# KiCad board Soft_Power_Switch_panelized.kicad_pcb (continued)
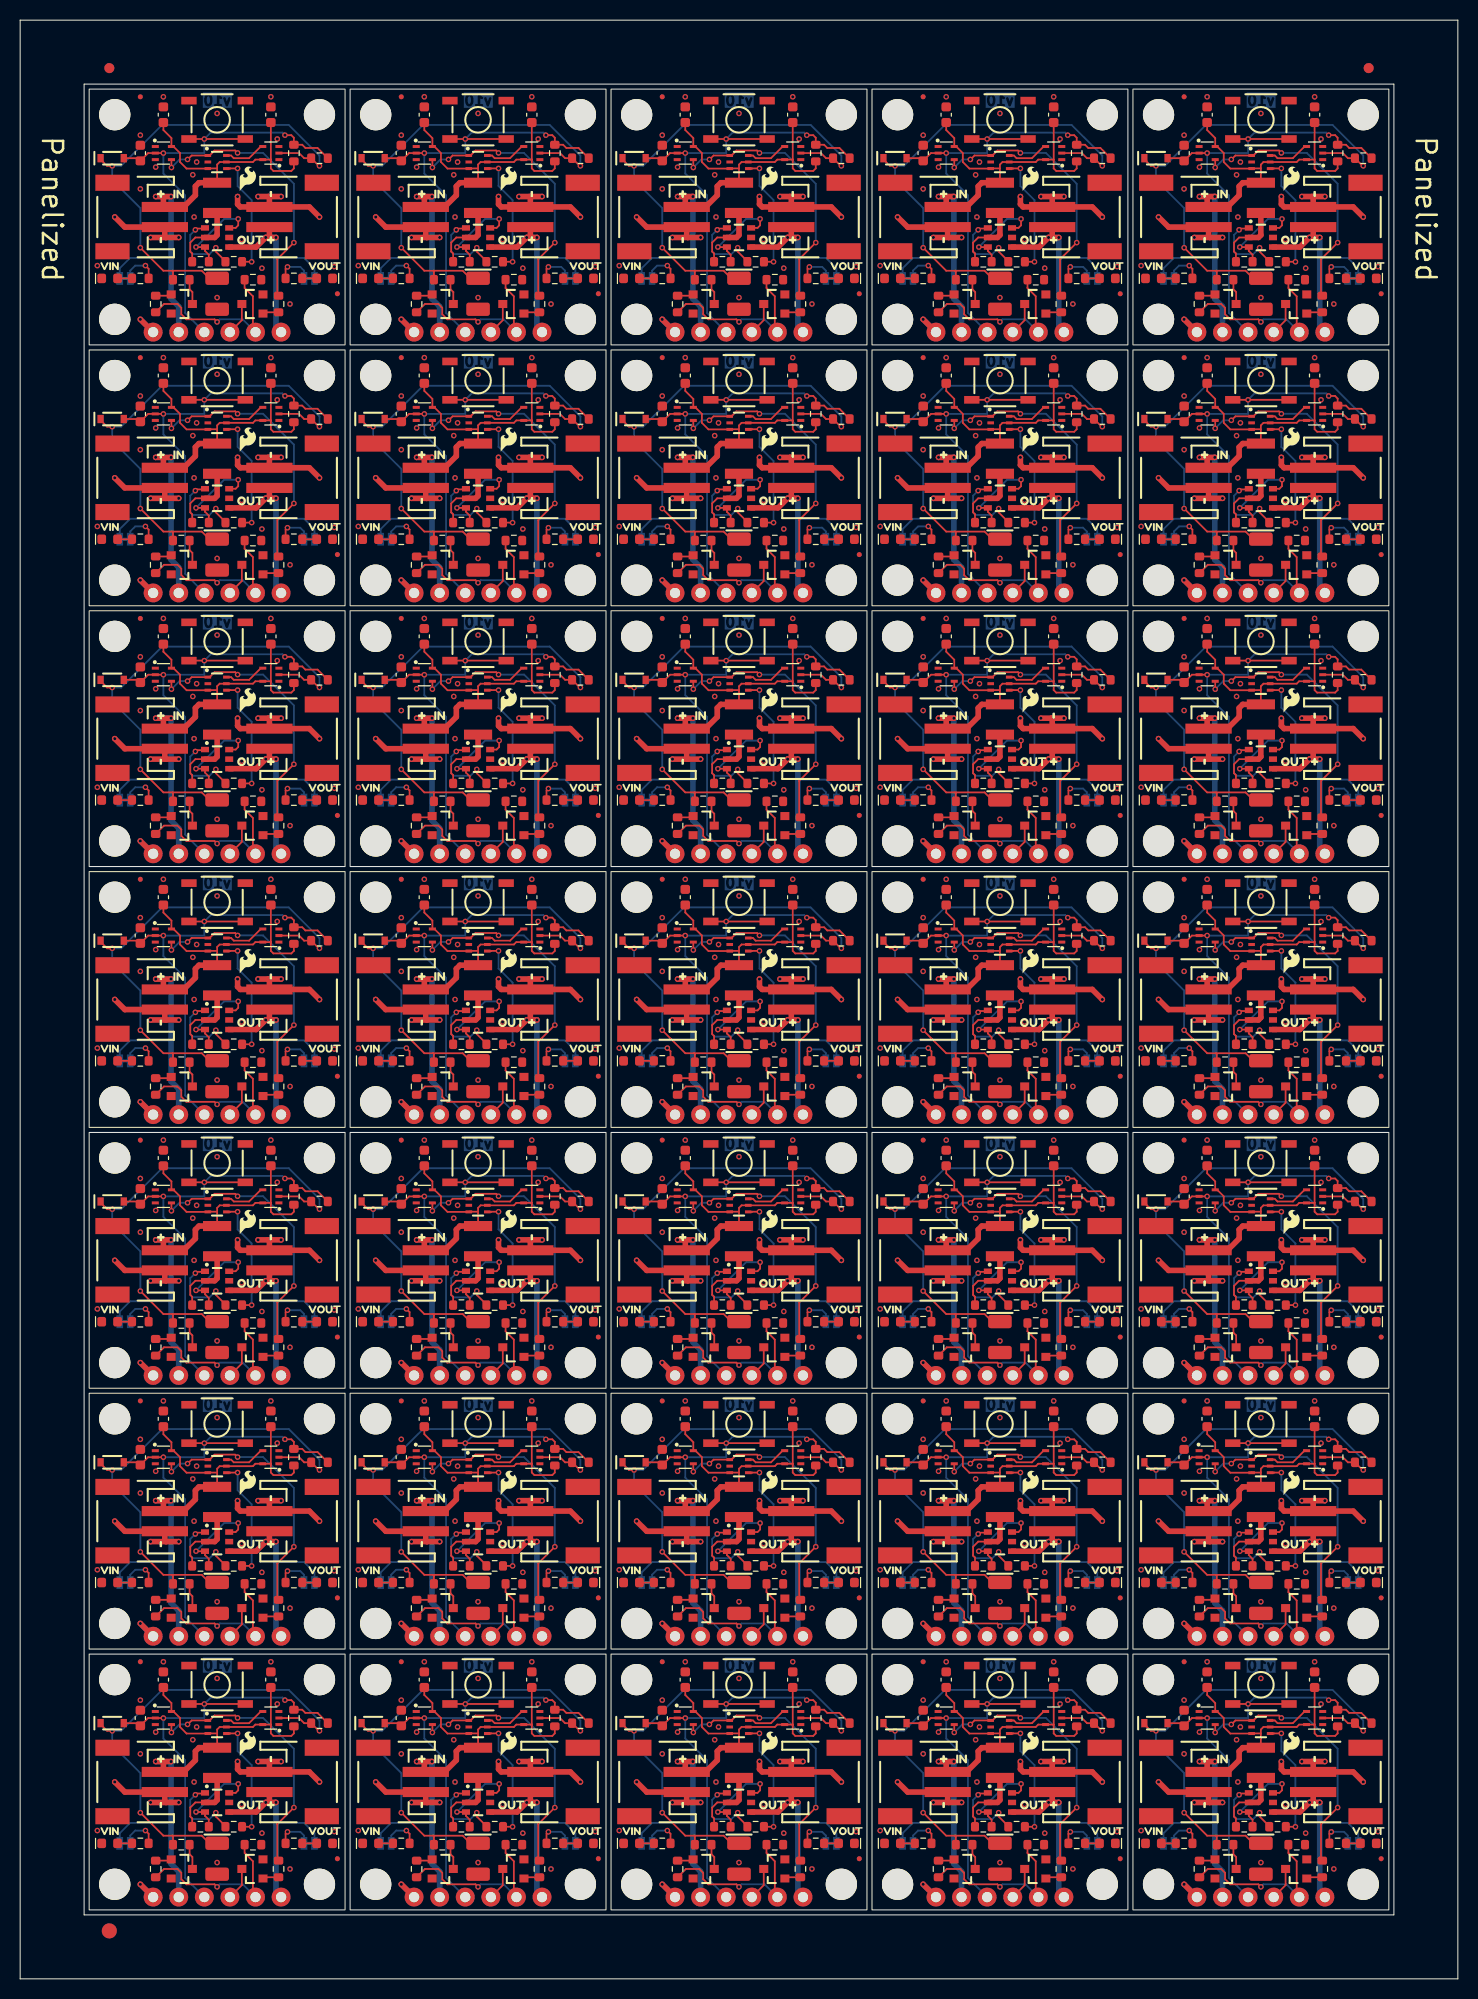
[diagram p0: board, top side]
## Placement (name value [footprint] x y rotation side) (continued)
kibuzzard-65F0636B#27  G***  [kibuzzard-65F0636B]  82.02 144.17 0 top
kibuzzard-65F0636B#28  G***  [kibuzzard-65F0636B]  133.82 144.17 0 top
kibuzzard-65F0636B#29  G***  [kibuzzard-65F0636B]  133.82 14.67 0 top
kibuzzard-65F0636B#30  G***  [kibuzzard-65F0636B]  82.02 14.67 0 top
kibuzzard-65F0636B#31  G***  [kibuzzard-65F0636B]  82.02 118.27 0 top
kibuzzard-65F0636B#32  G***  [kibuzzard-65F0636B]  133.82 92.37 0 top
kibuzzard-65F0636B#33  G***  [kibuzzard-65F0636B]  30.22 14.67 0 top
kibuzzard-65F0636B#34  G***  [kibuzzard-65F0636B]  56.12 118.27 0 top
kibuzzard-65F0636B#35  G***  [kibuzzard-65F0636B]  133.82 170.07 0 top
kibuzzard-65F1758C  G***  [kibuzzard-65F1758C]  67.54 99.54 0 top
kibuzzard-65F1758C#2  G***  [kibuzzard-65F1758C]  41.64 125.44 0 top
kibuzzard-65F1758C#3  G***  [kibuzzard-65F1758C]  119.34 47.74 0 top
kibuzzard-65F1758C#4  G***  [kibuzzard-65F1758C]  119.34 73.64 0 top
kibuzzard-65F1758C#5  G***  [kibuzzard-65F1758C]  41.64 73.64 0 top
kibuzzard-65F1758C#6  G***  [kibuzzard-65F1758C]  67.54 177.24 0 top
kibuzzard-65F1758C#7  G***  [kibuzzard-65F1758C]  93.44 99.54 0 top
kibuzzard-65F1758C#8  G***  [kibuzzard-65F1758C]  119.34 177.24 0 top
kibuzzard-65F1758C#9  G***  [kibuzzard-65F1758C]  93.44 73.64 0 top
kibuzzard-65F1758C#10  G***  [kibuzzard-65F1758C]  119.34 99.54 0 top
kibuzzard-65F1758C#11  G***  [kibuzzard-65F1758C]  93.44 21.84 0 top
kibuzzard-65F1758C#12  G***  [kibuzzard-65F1758C]  93.44 47.74 0 top
kibuzzard-65F1758C#13  G***  [kibuzzard-65F1758C]  67.54 151.34 0 top
kibuzzard-65F1758C#14  G***  [kibuzzard-65F1758C]  41.64 99.54 0 top
kibuzzard-65F1758C#15  G***  [kibuzzard-65F1758C]  15.74 177.24 0 top
kibuzzard-65F1758C#16  G***  [kibuzzard-65F1758C]  67.54 21.84 0 top
kibuzzard-65F1758C#17  G***  [kibuzzard-65F1758C]  67.54 125.44 0 top
kibuzzard-65F1758C#18  G***  [kibuzzard-65F1758C]  41.64 47.74 0 top
kibuzzard-65F1758C#19  G***  [kibuzzard-65F1758C]  41.64 151.34 0 top
kibuzzard-65F1758C#20  G***  [kibuzzard-65F1758C]  15.74 21.84 0 top
kibuzzard-65F1758C#21  G***  [kibuzzard-65F1758C]  93.44 177.24 0 top
kibuzzard-65F1758C#22  G***  [kibuzzard-65F1758C]  15.74 47.74 0 top
kibuzzard-65F1758C#23  G***  [kibuzzard-65F1758C]  15.74 73.64 0 top
kibuzzard-65F1758C#24  G***  [kibuzzard-65F1758C]  119.34 151.34 0 top
kibuzzard-65F1758C#25  G***  [kibuzzard-65F1758C]  15.74 125.44 0 top
kibuzzard-65F1758C#26  G***  [kibuzzard-65F1758C]  119.34 21.84 0 top
kibuzzard-65F1758C#27  G***  [kibuzzard-65F1758C]  67.54 47.74 0 top
kibuzzard-65F1758C#28  G***  [kibuzzard-65F1758C]  41.64 21.84 0 top
kibuzzard-65F1758C#29  G***  [kibuzzard-65F1758C]  15.74 99.54 0 top
kibuzzard-65F1758C#30  G***  [kibuzzard-65F1758C]  15.74 151.34 0 top
kibuzzard-65F1758C#31  G***  [kibuzzard-65F1758C]  41.64 177.24 0 top
kibuzzard-65F1758C#32  G***  [kibuzzard-65F1758C]  93.44 151.34 0 top
kibuzzard-65F1758C#33  G***  [kibuzzard-65F1758C]  67.54 73.64 0 top
kibuzzard-65F1758C#34  G***  [kibuzzard-65F1758C]  119.34 125.44 0 top
kibuzzard-65F1758C#35  G***  [kibuzzard-65F1758C]  93.44 125.44 0 top
kibuzzard-65F05416  G***  [kibuzzard-65F05416]  45.45 20.57 180 bottom
kibuzzard-65F05416#2  G***  [kibuzzard-65F05416]  97.25 20.57 180 bottom
kibuzzard-65F05416#3  G***  [kibuzzard-65F05416]  71.35 72.37 180 bottom
kibuzzard-65F05416#4  G***  [kibuzzard-65F05416]  19.55 20.57 180 bottom
kibuzzard-65F05416#5  G***  [kibuzzard-65F05416]  97.25 98.27 180 bottom
kibuzzard-65F05416#6  G***  [kibuzzard-65F05416]  45.45 124.17 180 bottom
kibuzzard-65F05416#7  G***  [kibuzzard-65F05416]  123.15 124.17 180 bottom
kibuzzard-65F05416#8  G***  [kibuzzard-65F05416]  97.25 124.17 180 bottom
kibuzzard-65F05416#9  G***  [kibuzzard-65F05416]  19.55 150.07 180 bottom
kibuzzard-65F05416#10  G***  [kibuzzard-65F05416]  45.45 46.47 180 bottom
kibuzzard-65F05416#11  G***  [kibuzzard-65F05416]  97.25 72.37 180 bottom
kibuzzard-65F05416#12  G***  [kibuzzard-65F05416]  71.35 124.17 180 bottom
kibuzzard-65F05416#13  G***  [kibuzzard-65F05416]  123.15 20.57 180 bottom
kibuzzard-65F05416#14  G***  [kibuzzard-65F05416]  71.35 98.27 180 bottom
kibuzzard-65F05416#15  G***  [kibuzzard-65F05416]  123.15 46.47 180 bottom
kibuzzard-65F05416#16  G***  [kibuzzard-65F05416]  97.25 150.07 180 bottom
kibuzzard-65F05416#17  G***  [kibuzzard-65F05416]  19.55 175.97 180 bottom
kibuzzard-65F05416#18  G***  [kibuzzard-65F05416]  71.35 175.97 180 bottom
kibuzzard-65F05416#19  G***  [kibuzzard-65F05416]  123.15 72.37 180 bottom
kibuzzard-65F05416#20  G***  [kibuzzard-65F05416]  19.55 46.47 180 bottom
kibuzzard-65F05416#21  G***  [kibuzzard-65F05416]  71.35 150.07 180 bottom
kibuzzard-65F05416#22  G***  [kibuzzard-65F05416]  45.45 175.97 180 bottom
kibuzzard-65F05416#23  G***  [kibuzzard-65F05416]  45.45 150.07 180 bottom
kibuzzard-65F05416#24  G***  [kibuzzard-65F05416]  71.35 46.47 180 bottom
kibuzzard-65F05416#25  G***  [kibuzzard-65F05416]  123.15 150.07 180 bottom
kibuzzard-65F05416#26  G***  [kibuzzard-65F05416]  45.45 72.37 180 bottom
kibuzzard-65F05416#27  G***  [kibuzzard-65F05416]  45.45 98.27 180 bottom
kibuzzard-65F05416#28  G***  [kibuzzard-65F05416]  97.25 46.47 180 bottom
kibuzzard-65F05416#29  G***  [kibuzzard-65F05416]  123.15 98.27 180 bottom
kibuzzard-65F05416#30  G***  [kibuzzard-65F05416]  71.35 20.57 180 bottom
kibuzzard-65F05416#31  G***  [kibuzzard-65F05416]  19.55 98.27 180 bottom
kibuzzard-65F05416#32  G***  [kibuzzard-65F05416]  123.15 175.97 180 bottom
kibuzzard-65F05416#33  G***  [kibuzzard-65F05416]  19.55 72.37 180 bottom
kibuzzard-65F05416#34  G***  [kibuzzard-65F05416]  19.55 124.17 180 bottom
kibuzzard-65F05416#35  G***  [kibuzzard-65F05416]  97.25 175.97 180 bottom
kibuzzard-65F05472  G***  [kibuzzard-65F05472]  111.72 19.55 90 bottom
kibuzzard-65F05472#2  G***  [kibuzzard-65F05472]  85.82 97.25 90 bottom
kibuzzard-65F05472#3  G***  [kibuzzard-65F05472]  34.02 149.05 90 bottom
kibuzzard-65F05472#4  G***  [kibuzzard-65F05472]  111.72 123.15 90 bottom
kibuzzard-65F05472#5  G***  [kibuzzard-65F05472]  34.02 123.15 90 bottom
kibuzzard-65F05472#6  G***  [kibuzzard-65F05472]  59.92 45.45 90 bottom
kibuzzard-65F05472#7  G***  [kibuzzard-65F05472]  111.72 149.05 90 bottom
kibuzzard-65F05472#8  G***  [kibuzzard-65F05472]  111.72 45.45 90 bottom
kibuzzard-65F05472#9  G***  [kibuzzard-65F05472]  85.82 19.55 90 bottom
kibuzzard-65F05472#10  G***  [kibuzzard-65F05472]  8.12 19.55 90 bottom
kibuzzard-65F05472#11  G***  [kibuzzard-65F05472]  85.82 45.45 90 bottom
kibuzzard-65F05472#12  G***  [kibuzzard-65F05472]  85.82 149.05 90 bottom
kibuzzard-65F05472#13  G***  [kibuzzard-65F05472]  8.12 149.05 90 bottom
kibuzzard-65F05472#14  G***  [kibuzzard-65F05472]  34.02 174.95 90 bottom
kibuzzard-65F05472#15  G***  [kibuzzard-65F05472]  85.82 123.15 90 bottom
kibuzzard-65F05472#16  G***  [kibuzzard-65F05472]  34.02 19.55 90 bottom
kibuzzard-65F05472#17  G***  [kibuzzard-65F05472]  8.12 97.25 90 bottom
kibuzzard-65F05472#18  G***  [kibuzzard-65F05472]  111.72 71.35 90 bottom
kibuzzard-65F05472#19  G***  [kibuzzard-65F05472]  34.02 71.35 90 bottom
kibuzzard-65F05472#20  G***  [kibuzzard-65F05472]  8.12 174.95 90 bottom
kibuzzard-65F05472#21  G***  [kibuzzard-65F05472]  59.92 97.25 90 bottom
kibuzzard-65F05472#22  G***  [kibuzzard-65F05472]  85.82 174.95 90 bottom
kibuzzard-65F05472#23  G***  [kibuzzard-65F05472]  59.92 174.95 90 bottom
kibuzzard-65F05472#24  G***  [kibuzzard-65F05472]  111.72 97.25 90 bottom
kibuzzard-65F05472#25  G***  [kibuzzard-65F05472]  8.12 123.15 90 bottom
kibuzzard-65F05472#26  G***  [kibuzzard-65F05472]  8.12 71.35 90 bottom
kibuzzard-65F05472#27  G***  [kibuzzard-65F05472]  59.92 71.35 90 bottom
kibuzzard-65F05472#28  G***  [kibuzzard-65F05472]  85.82 71.35 90 bottom
kibuzzard-65F05472#29  G***  [kibuzzard-65F05472]  34.02 45.45 90 bottom
kibuzzard-65F05472#30  G***  [kibuzzard-65F05472]  59.92 19.55 90 bottom
kibuzzard-65F05472#31  G***  [kibuzzard-65F05472]  8.12 45.45 90 bottom
kibuzzard-65F05472#32  G***  [kibuzzard-65F05472]  34.02 97.25 90 bottom
kibuzzard-65F05472#33  G***  [kibuzzard-65F05472]  59.92 123.15 90 bottom
kibuzzard-65F05472#34  G***  [kibuzzard-65F05472]  59.92 149.05 90 bottom
kibuzzard-65F05472#35  G***  [kibuzzard-65F05472]  111.72 174.95 90 bottom
kibuzzard-65F05495  G***  [kibuzzard-65F05495]  108.68 45.45 270 bottom
kibuzzard-65F05495#2  G***  [kibuzzard-65F05495]  134.58 19.55 270 bottom
kibuzzard-65F05495#3  G***  [kibuzzard-65F05495]  108.68 123.15 270 bottom
kibuzzard-65F05495#4  G***  [kibuzzard-65F05495]  134.58 123.15 270 bottom
kibuzzard-65F05495#5  G***  [kibuzzard-65F05495]  134.58 97.25 270 bottom
kibuzzard-65F05495#6  G***  [kibuzzard-65F05495]  30.98 19.55 270 bottom
kibuzzard-65F05495#7  G***  [kibuzzard-65F05495]  82.78 45.45 270 bottom
kibuzzard-65F05495#8  G***  [kibuzzard-65F05495]  108.68 174.95 270 bottom
kibuzzard-65F05495#9  G***  [kibuzzard-65F05495]  56.88 71.35 270 bottom
kibuzzard-65F05495#10  G***  [kibuzzard-65F05495]  108.68 149.05 270 bottom
kibuzzard-65F05495#11  G***  [kibuzzard-65F05495]  30.98 174.95 270 bottom
kibuzzard-65F05495#12  G***  [kibuzzard-65F05495]  108.68 97.25 270 bottom
kibuzzard-65F05495#13  G***  [kibuzzard-65F05495]  134.58 174.95 270 bottom
kibuzzard-65F05495#14  G***  [kibuzzard-65F05495]  134.58 149.05 270 bottom
kibuzzard-65F05495#15  G***  [kibuzzard-65F05495]  82.78 123.15 270 bottom
kibuzzard-65F05495#16  G***  [kibuzzard-65F05495]  30.98 97.25 270 bottom
kibuzzard-65F05495#17  G***  [kibuzzard-65F05495]  56.88 97.25 270 bottom
kibuzzard-65F05495#18  G***  [kibuzzard-65F05495]  56.88 123.15 270 bottom
kibuzzard-65F05495#19  G***  [kibuzzard-65F05495]  82.78 19.55 270 bottom
kibuzzard-65F05495#20  G***  [kibuzzard-65F05495]  108.68 71.35 270 bottom
kibuzzard-65F05495#21  G***  [kibuzzard-65F05495]  30.98 149.05 270 bottom
kibuzzard-65F05495#22  G***  [kibuzzard-65F05495]  82.78 174.95 270 bottom
kibuzzard-65F05495#23  G***  [kibuzzard-65F05495]  56.88 174.95 270 bottom
kibuzzard-65F05495#24  G***  [kibuzzard-65F05495]  82.78 97.25 270 bottom
kibuzzard-65F05495#25  G***  [kibuzzard-65F05495]  56.88 149.05 270 bottom
kibuzzard-65F05495#26  G***  [kibuzzard-65F05495]  56.88 45.45 270 bottom
kibuzzard-65F05495#27  G***  [kibuzzard-65F05495]  82.78 71.35 270 bottom
kibuzzard-65F05495#28  G***  [kibuzzard-65F05495]  82.78 149.05 270 bottom
kibuzzard-65F05495#29  G***  [kibuzzard-65F05495]  56.88 19.55 270 bottom
kibuzzard-65F05495#30  G***  [kibuzzard-65F05495]  30.98 123.15 270 bottom
kibuzzard-65F05495#31  G***  [kibuzzard-65F05495]  134.58 71.35 270 bottom
kibuzzard-65F05495#32  G***  [kibuzzard-65F05495]  30.98 71.35 270 bottom
kibuzzard-65F05495#33  G***  [kibuzzard-65F05495]  30.98 45.45 270 bottom
kibuzzard-65F05495#34  G***  [kibuzzard-65F05495]  134.58 45.45 270 bottom
kibuzzard-65F05495#35  G***  [kibuzzard-65F05495]  108.68 19.55 270 bottom
kibuzzard-65F05604  G***  [kibuzzard-65F05604]  65 10.66 90 bottom
kibuzzard-65F05604#2  G***  [kibuzzard-65F05604]  116.8 36.56 90 bottom
kibuzzard-65F05604#3  G***  [kibuzzard-65F05604]  116.8 10.66 90 bottom
kibuzzard-65F05604#4  G***  [kibuzzard-65F05604]  39.1 36.56 90 bottom
kibuzzard-65F05604#5  G***  [kibuzzard-65F05604]  39.1 114.26 90 bottom
kibuzzard-65F05604#6  G***  [kibuzzard-65F05604]  65 114.26 90 bottom
kibuzzard-65F05604#7  G***  [kibuzzard-65F05604]  39.1 10.66 90 bottom
kibuzzard-65F05604#8  G***  [kibuzzard-65F05604]  39.1 88.36 90 bottom
kibuzzard-65F05604#9  G***  [kibuzzard-65F05604]  116.8 140.16 90 bottom
kibuzzard-65F05604#10  G***  [kibuzzard-65F05604]  13.2 166.06 90 bottom
kibuzzard-65F05604#11  G***  [kibuzzard-65F05604]  90.9 140.16 90 bottom
kibuzzard-65F05604#12  G***  [kibuzzard-65F05604]  116.8 166.06 90 bottom
kibuzzard-65F05604#13  G***  [kibuzzard-65F05604]  13.2 114.26 90 bottom
kibuzzard-65F05604#14  G***  [kibuzzard-65F05604]  13.2 36.56 90 bottom
kibuzzard-65F05604#15  G***  [kibuzzard-65F05604]  13.2 88.36 90 bottom
kibuzzard-65F05604#16  G***  [kibuzzard-65F05604]  13.2 10.66 90 bottom
kibuzzard-65F05604#17  G***  [kibuzzard-65F05604]  39.1 140.16 90 bottom
kibuzzard-65F05604#18  G***  [kibuzzard-65F05604]  116.8 62.46 90 bottom
kibuzzard-65F05604#19  G***  [kibuzzard-65F05604]  90.9 114.26 90 bottom
kibuzzard-65F05604#20  G***  [kibuzzard-65F05604]  65 88.36 90 bottom
kibuzzard-65F05604#21  G***  [kibuzzard-65F05604]  65 36.56 90 bottom
kibuzzard-65F05604#22  G***  [kibuzzard-65F05604]  90.9 62.46 90 bottom
kibuzzard-65F05604#23  G***  [kibuzzard-65F05604]  13.2 62.46 90 bottom
kibuzzard-65F05604#24  G***  [kibuzzard-65F05604]  65 166.06 90 bottom
kibuzzard-65F05604#25  G***  [kibuzzard-65F05604]  65 62.46 90 bottom
kibuzzard-65F05604#26  G***  [kibuzzard-65F05604]  13.2 140.16 90 bottom
kibuzzard-65F05604#27  G***  [kibuzzard-65F05604]  90.9 166.06 90 bottom
kibuzzard-65F05604#28  G***  [kibuzzard-65F05604]  116.8 88.36 90 bottom
kibuzzard-65F05604#29  G***  [kibuzzard-65F05604]  39.1 166.06 90 bottom
kibuzzard-65F05604#30  G***  [kibuzzard-65F05604]  39.1 62.46 90 bottom
kibuzzard-65F05604#31  G***  [kibuzzard-65F05604]  90.9 88.36 90 bottom
kibuzzard-65F05604#32  G***  [kibuzzard-65F05604]  90.9 36.56 90 bottom
kibuzzard-65F05604#33  G***  [kibuzzard-65F05604]  90.9 10.66 90 bottom
kibuzzard-65F05604#34  G***  [kibuzzard-65F05604]  65 140.16 90 bottom
kibuzzard-65F05604#35  G***  [kibuzzard-65F05604]  116.8 114.26 90 bottom
kibuzzard-65F05628  G***  [kibuzzard-65F05628]  41.64 114.26 90 bottom
kibuzzard-65F05628#2  G***  [kibuzzard-65F05628]  41.64 166.06 90 bottom
kibuzzard-65F05628#3  G***  [kibuzzard-65F05628]  15.74 88.36 90 bottom
kibuzzard-65F05628#4  G***  [kibuzzard-65F05628]  67.54 114.26 90 bottom
kibuzzard-65F05628#5  G***  [kibuzzard-65F05628]  67.54 140.16 90 bottom
kibuzzard-65F05628#6  G***  [kibuzzard-65F05628]  119.34 10.66 90 bottom
kibuzzard-65F05628#7  G***  [kibuzzard-65F05628]  67.54 36.56 90 bottom
kibuzzard-65F05628#8  G***  [kibuzzard-65F05628]  67.54 88.36 90 bottom
kibuzzard-65F05628#9  G***  [kibuzzard-65F05628]  41.64 36.56 90 bottom
kibuzzard-65F05628#10  G***  [kibuzzard-65F05628]  15.74 62.46 90 bottom
kibuzzard-65F05628#11  G***  [kibuzzard-65F05628]  15.74 114.26 90 bottom
kibuzzard-65F05628#12  G***  [kibuzzard-65F05628]  93.44 62.46 90 bottom
kibuzzard-65F05628#13  G***  [kibuzzard-65F05628]  41.64 88.36 90 bottom
kibuzzard-65F05628#14  G***  [kibuzzard-65F05628]  93.44 88.36 90 bottom
kibuzzard-65F05628#15  G***  [kibuzzard-65F05628]  119.34 62.46 90 bottom
kibuzzard-65F05628#16  G***  [kibuzzard-65F05628]  67.54 10.66 90 bottom
kibuzzard-65F05628#17  G***  [kibuzzard-65F05628]  41.64 62.46 90 bottom
kibuzzard-65F05628#18  G***  [kibuzzard-65F05628]  119.34 36.56 90 bottom
kibuzzard-65F05628#19  G***  [kibuzzard-65F05628]  41.64 140.16 90 bottom
kibuzzard-65F05628#20  G***  [kibuzzard-65F05628]  93.44 166.06 90 bottom
kibuzzard-65F05628#21  G***  [kibuzzard-65F05628]  119.34 140.16 90 bottom
kibuzzard-65F05628#22  G***  [kibuzzard-65F05628]  93.44 114.26 90 bottom
kibuzzard-65F05628#23  G***  [kibuzzard-65F05628]  93.44 140.16 90 bottom
kibuzzard-65F05628#24  G***  [kibuzzard-65F05628]  15.74 10.66 90 bottom
kibuzzard-65F05628#25  G***  [kibuzzard-65F05628]  119.34 114.26 90 bottom
kibuzzard-65F05628#26  G***  [kibuzzard-65F05628]  119.34 166.06 90 bottom
kibuzzard-65F05628#27  G***  [kibuzzard-65F05628]  93.44 36.56 90 bottom
kibuzzard-65F05628#28  G***  [kibuzzard-65F05628]  15.74 36.56 90 bottom
kibuzzard-65F05628#29  G***  [kibuzzard-65F05628]  67.54 166.06 90 bottom
kibuzzard-65F05628#30  G***  [kibuzzard-65F05628]  67.54 62.46 90 bottom
kibuzzard-65F05628#31  G***  [kibuzzard-65F05628]  119.34 88.36 90 bottom
kibuzzard-65F05628#32  G***  [kibuzzard-65F05628]  15.74 140.16 90 bottom
kibuzzard-65F05628#33  G***  [kibuzzard-65F05628]  15.74 166.06 90 bottom
kibuzzard-65F05628#34  G***  [kibuzzard-65F05628]  93.44 10.66 90 bottom
kibuzzard-65F05628#35  G***  [kibuzzard-65F05628]  41.64 10.66 90 bottom
kibuzzard-65F05644  G***  [kibuzzard-65F05644]  121.88 140.41 90 bottom
kibuzzard-65F05644#2  G***  [kibuzzard-65F05644]  44.18 10.91 90 bottom
kibuzzard-65F05644#3  G***  [kibuzzard-65F05644]  18.28 10.91 90 bottom
kibuzzard-65F05644#4  G***  [kibuzzard-65F05644]  44.18 36.81 90 bottom
kibuzzard-65F05644#5  G***  [kibuzzard-65F05644]  121.88 62.71 90 bottom
kibuzzard-65F05644#6  G***  [kibuzzard-65F05644]  70.08 140.41 90 bottom
kibuzzard-65F05644#7  G***  [kibuzzard-65F05644]  18.28 140.41 90 bottom
kibuzzard-65F05644#8  G***  [kibuzzard-65F05644]  44.18 114.51 90 bottom
kibuzzard-65F05644#9  G***  [kibuzzard-65F05644]  95.98 166.31 90 bottom
kibuzzard-65F05644#10  G***  [kibuzzard-65F05644]  70.08 166.31 90 bottom
kibuzzard-65F05644#11  G***  [kibuzzard-65F05644]  18.28 114.51 90 bottom
kibuzzard-65F05644#12  G***  [kibuzzard-65F05644]  121.88 36.81 90 bottom
kibuzzard-65F05644#13  G***  [kibuzzard-65F05644]  70.08 88.61 90 bottom
kibuzzard-65F05644#14  G***  [kibuzzard-65F05644]  121.88 88.61 90 bottom
kibuzzard-65F05644#15  G***  [kibuzzard-65F05644]  95.98 140.41 90 bottom
kibuzzard-65F05644#16  G***  [kibuzzard-65F05644]  44.18 88.61 90 bottom
kibuzzard-65F05644#17  G***  [kibuzzard-65F05644]  95.98 88.61 90 bottom
kibuzzard-65F05644#18  G***  [kibuzzard-65F05644]  18.28 62.71 90 bottom
kibuzzard-65F05644#19  G***  [kibuzzard-65F05644]  70.08 10.91 90 bottom
kibuzzard-65F05644#20  G***  [kibuzzard-65F05644]  44.18 166.31 90 bottom
kibuzzard-65F05644#21  G***  [kibuzzard-65F05644]  95.98 10.91 90 bottom
kibuzzard-65F05644#22  G***  [kibuzzard-65F05644]  18.28 88.61 90 bottom
kibuzzard-65F05644#23  G***  [kibuzzard-65F05644]  95.98 62.71 90 bottom
kibuzzard-65F05644#24  G***  [kibuzzard-65F05644]  44.18 62.71 90 bottom
kibuzzard-65F05644#25  G***  [kibuzzard-65F05644]  70.08 62.71 90 bottom
kibuzzard-65F05644#26  G***  [kibuzzard-65F05644]  18.28 166.31 90 bottom
kibuzzard-65F05644#27  G***  [kibuzzard-65F05644]  121.88 10.91 90 bottom
kibuzzard-65F05644#28  G***  [kibuzzard-65F05644]  18.28 36.81 90 bottom
kibuzzard-65F05644#29  G***  [kibuzzard-65F05644]  44.18 140.41 90 bottom
kibuzzard-65F05644#30  G***  [kibuzzard-65F05644]  95.98 36.81 90 bottom
kibuzzard-65F05644#31  G***  [kibuzzard-65F05644]  121.88 114.51 90 bottom
kibuzzard-65F05644#32  G***  [kibuzzard-65F05644]  95.98 114.51 90 bottom
kibuzzard-65F05644#33  G***  [kibuzzard-65F05644]  70.08 114.51 90 bottom
kibuzzard-65F05644#34  G***  [kibuzzard-65F05644]  70.08 36.81 90 bottom
kibuzzard-65F05644#35  G***  [kibuzzard-65F05644]  121.88 166.31 90 bottom
NOREF  -  [Fiducial_1.5mm_Mask3mm]  8.85 4.76 0 top
NOREF#2  -  [Fiducial_1mm_Mask3mm]  8.85 189.74 0 top
NOREF#3  -  [Fiducial_1mm_Mask3mm]  133.85 189.74 0 top
NOREF#4  -  [Fiducial_1.5mm_Mask3mm]  8.85 4.76 0 bottom
NOREF#5  -  [Fiducial_1mm_Mask3mm]  133.85 189.74 0 bottom
NOREF#6  -  [Fiducial_1mm_Mask3mm]  8.85 189.74 0 bottom
Q1  BSS138  [SOT23-3]  41.89 88.61 0 top
Q1#2  BSS138  [SOT23-3]  119.59 88.61 0 top
Q1#3  BSS138  [SOT23-3]  67.79 10.91 0 top
Q1#4  BSS138  [SOT23-3]  41.89 166.31 0 top
Q1#5  BSS138  [SOT23-3]  93.69 36.81 0 top
Q1#6  BSS138  [SOT23-3]  15.99 140.41 0 top
Q1#7  BSS138  [SOT23-3]  15.99 166.31 0 top
Q1#8  BSS138  [SOT23-3]  67.79 62.71 0 top
Q1#9  BSS138  [SOT23-3]  67.79 88.61 0 top
Q1#10  BSS138  [SOT23-3]  67.79 114.51 0 top
Q1#11  BSS138  [SOT23-3]  41.89 140.41 0 top
Q1#12  BSS138  [SOT23-3]  15.99 62.71 0 top
Q1#13  BSS138  [SOT23-3]  119.59 62.71 0 top
Q1#14  BSS138  [SOT23-3]  41.89 114.51 0 top
Q1#15  BSS138  [SOT23-3]  15.99 10.91 0 top
Q1#16  BSS138  [SOT23-3]  119.59 166.31 0 top
Q1#17  BSS138  [SOT23-3]  15.99 114.51 0 top
Q1#18  BSS138  [SOT23-3]  93.69 10.91 0 top
Q1#19  BSS138  [SOT23-3]  93.69 62.71 0 top
Q1#20  BSS138  [SOT23-3]  67.79 140.41 0 top
Q1#21  BSS138  [SOT23-3]  15.99 88.61 0 top
Q1#22  BSS138  [SOT23-3]  41.89 10.91 0 top
Q1#23  BSS138  [SOT23-3]  15.99 36.81 0 top
Q1#24  BSS138  [SOT23-3]  119.59 36.81 0 top
Q1#25  BSS138  [SOT23-3]  93.69 140.41 0 top
Q1#26  BSS138  [SOT23-3]  41.89 36.81 0 top
Q1#27  BSS138  [SOT23-3]  119.59 140.41 0 top
Q1#28  BSS138  [SOT23-3]  119.59 10.91 0 top
Q1#29  BSS138  [SOT23-3]  119.59 114.51 0 top
Q1#30  BSS138  [SOT23-3]  67.79 166.31 0 top
Q1#31  BSS138  [SOT23-3]  67.79 36.81 0 top
Q1#32  BSS138  [SOT23-3]  93.69 88.61 0 top
Q1#33  BSS138  [SOT23-3]  93.69 166.31 0 top
Q1#34  BSS138  [SOT23-3]  41.89 62.71 0 top
Q1#35  BSS138  [SOT23-3]  93.69 114.51 0 top
Q2  BSS138  [SOT23-3]  126.71 36.81 180 top
Q2#2  BSS138  [SOT23-3]  74.91 10.91 180 top
Q2#3  BSS138  [SOT23-3]  23.11 140.41 180 top
Q2#4  BSS138  [SOT23-3]  100.81 10.91 180 top
Q2#5  BSS138  [SOT23-3]  100.81 88.61 180 top
Q2#6  BSS138  [SOT23-3]  74.91 36.81 180 top
Q2#7  BSS138  [SOT23-3]  126.71 88.61 180 top
Q2#8  BSS138  [SOT23-3]  49.01 140.41 180 top
Q2#9  BSS138  [SOT23-3]  100.81 166.31 180 top
Q2#10  BSS138  [SOT23-3]  23.11 166.31 180 top
Q2#11  BSS138  [SOT23-3]  126.71 140.41 180 top
Q2#12  BSS138  [SOT23-3]  100.81 114.51 180 top
Q2#13  BSS138  [SOT23-3]  74.91 114.51 180 top
Q2#14  BSS138  [SOT23-3]  126.71 62.71 180 top
Q2#15  BSS138  [SOT23-3]  49.01 166.31 180 top
Q2#16  BSS138  [SOT23-3]  74.91 140.41 180 top
Q2#17  BSS138  [SOT23-3]  49.01 88.61 180 top
Q2#18  BSS138  [SOT23-3]  23.11 62.71 180 top
Q2#19  BSS138  [SOT23-3]  100.81 36.81 180 top
Q2#20  BSS138  [SOT23-3]  126.71 114.51 180 top
Q2#21  BSS138  [SOT23-3]  74.91 166.31 180 top
Q2#22  BSS138  [SOT23-3]  126.71 166.31 180 top
Q2#23  BSS138  [SOT23-3]  74.91 88.61 180 top
Q2#24  BSS138  [SOT23-3]  74.91 62.71 180 top
Q2#25  BSS138  [SOT23-3]  49.01 62.71 180 top
Q2#26  BSS138  [SOT23-3]  23.11 36.81 180 top
Q2#27  BSS138  [SOT23-3]  23.11 114.51 180 top
Q2#28  BSS138  [SOT23-3]  23.11 88.61 180 top
Q2#29  BSS138  [SOT23-3]  49.01 36.81 180 top
Q2#30  BSS138  [SOT23-3]  49.01 114.51 180 top
Q2#31  BSS138  [SOT23-3]  126.71 10.91 180 top
Q2#32  BSS138  [SOT23-3]  100.81 62.71 180 top
Q2#33  BSS138  [SOT23-3]  23.11 10.91 180 top
Q2#34  BSS138  [SOT23-3]  49.01 10.91 180 top
Q2#35  BSS138  [SOT23-3]  100.81 140.41 180 top
Q3  SIL2308  [SOT23-6-Tight]  19.55 17.52 0 top
Q3#2  SIL2308  [SOT23-6-Tight]  97.25 17.52 0 top
Q3#3  SIL2308  [SOT23-6-Tight]  123.15 172.92 0 top
Q3#4  SIL2308  [SOT23-6-Tight]  19.55 95.22 0 top
Q3#5  SIL2308  [SOT23-6-Tight]  123.15 121.12 0 top
Q3#6  SIL2308  [SOT23-6-Tight]  45.45 121.12 0 top
Q3#7  SIL2308  [SOT23-6-Tight]  45.45 147.02 0 top
Q3#8  SIL2308  [SOT23-6-Tight]  97.25 147.02 0 top
Q3#9  SIL2308  [SOT23-6-Tight]  123.15 17.52 0 top
Q3#10  SIL2308  [SOT23-6-Tight]  71.35 121.12 0 top
Q3#11  SIL2308  [SOT23-6-Tight]  97.25 43.42 0 top
Q3#12  SIL2308  [SOT23-6-Tight]  123.15 95.22 0 top
Q3#13  SIL2308  [SOT23-6-Tight]  45.45 172.92 0 top
Q3#14  SIL2308  [SOT23-6-Tight]  71.35 43.42 0 top
Q3#15  SIL2308  [SOT23-6-Tight]  71.35 172.92 0 top
Q3#16  SIL2308  [SOT23-6-Tight]  71.35 69.32 0 top
Q3#17  SIL2308  [SOT23-6-Tight]  19.55 121.12 0 top
Q3#18  SIL2308  [SOT23-6-Tight]  97.25 121.12 0 top
Q3#19  SIL2308  [SOT23-6-Tight]  45.45 69.32 0 top
Q3#20  SIL2308  [SOT23-6-Tight]  19.55 69.32 0 top
Q3#21  SIL2308  [SOT23-6-Tight]  123.15 69.32 0 top
Q3#22  SIL2308  [SOT23-6-Tight]  45.45 95.22 0 top
Q3#23  SIL2308  [SOT23-6-Tight]  71.35 147.02 0 top
Q3#24  SIL2308  [SOT23-6-Tight]  19.55 172.92 0 top
Q3#25  SIL2308  [SOT23-6-Tight]  123.15 147.02 0 top
Q3#26  SIL2308  [SOT23-6-Tight]  19.55 147.02 0 top
Q3#27  SIL2308  [SOT23-6-Tight]  97.25 95.22 0 top
Q3#28  SIL2308  [SOT23-6-Tight]  123.15 43.42 0 top
Q3#29  SIL2308  [SOT23-6-Tight]  71.35 95.22 0 top
Q3#30  SIL2308  [SOT23-6-Tight]  97.25 172.92 0 top
Q3#31  SIL2308  [SOT23-6-Tight]  45.45 17.52 0 top
Q3#32  SIL2308  [SOT23-6-Tight]  45.45 43.42 0 top
Q3#33  SIL2308  [SOT23-6-Tight]  71.35 17.52 0 top
Q3#34  SIL2308  [SOT23-6-Tight]  97.25 69.32 0 top
Q3#35  SIL2308  [SOT23-6-Tight]  19.55 43.42 0 top
R1  1k  [R_0603_1608Metric]  53.07 129.5 90 top
R1#2  1k  [R_0603_1608Metric]  27.17 181.3 90 top
R1#3  1k  [R_0603_1608Metric]  27.17 25.9 90 top
R1#4  1k  [R_0603_1608Metric]  78.97 25.9 90 top
R1#5  1k  [R_0603_1608Metric]  104.87 181.3 90 top
R1#6  1k  [R_0603_1608Metric]  78.97 103.6 90 top
R1#7  1k  [R_0603_1608Metric]  130.77 77.7 90 top
R1#8  1k  [R_0603_1608Metric]  27.17 129.5 90 top
R1#9  1k  [R_0603_1608Metric]  130.77 51.8 90 top
R1#10  1k  [R_0603_1608Metric]  104.87 51.8 90 top
R1#11  1k  [R_0603_1608Metric]  130.77 129.5 90 top
R1#12  1k  [R_0603_1608Metric]  130.77 103.6 90 top
R1#13  1k  [R_0603_1608Metric]  53.07 51.8 90 top
R1#14  1k  [R_0603_1608Metric]  104.87 155.4 90 top
R1#15  1k  [R_0603_1608Metric]  78.97 51.8 90 top
R1#16  1k  [R_0603_1608Metric]  104.87 25.9 90 top
R1#17  1k  [R_0603_1608Metric]  130.77 155.4 90 top
R1#18  1k  [R_0603_1608Metric]  130.77 25.9 90 top
R1#19  1k  [R_0603_1608Metric]  104.87 129.5 90 top
R1#20  1k  [R_0603_1608Metric]  130.77 181.3 90 top
R1#21  1k  [R_0603_1608Metric]  27.17 155.4 90 top
R1#22  1k  [R_0603_1608Metric]  53.07 103.6 90 top
R1#23  1k  [R_0603_1608Metric]  78.97 181.3 90 top
